# Altium PCB ad-dc-sync-rect.PcbDoc (part 1 of 2)
Units mm, origin at the board's own origin, x right, y up, seen from the top; angles counter-clockwise.
Board outline 200 x 140 mm, 2 copper layers (Top Layer, Bottom Layer), stack 2.271 mm thick; 244 components, 127 nets, 637 pads, 0 vias.
Unrouted connection lines stored in the file: 476.
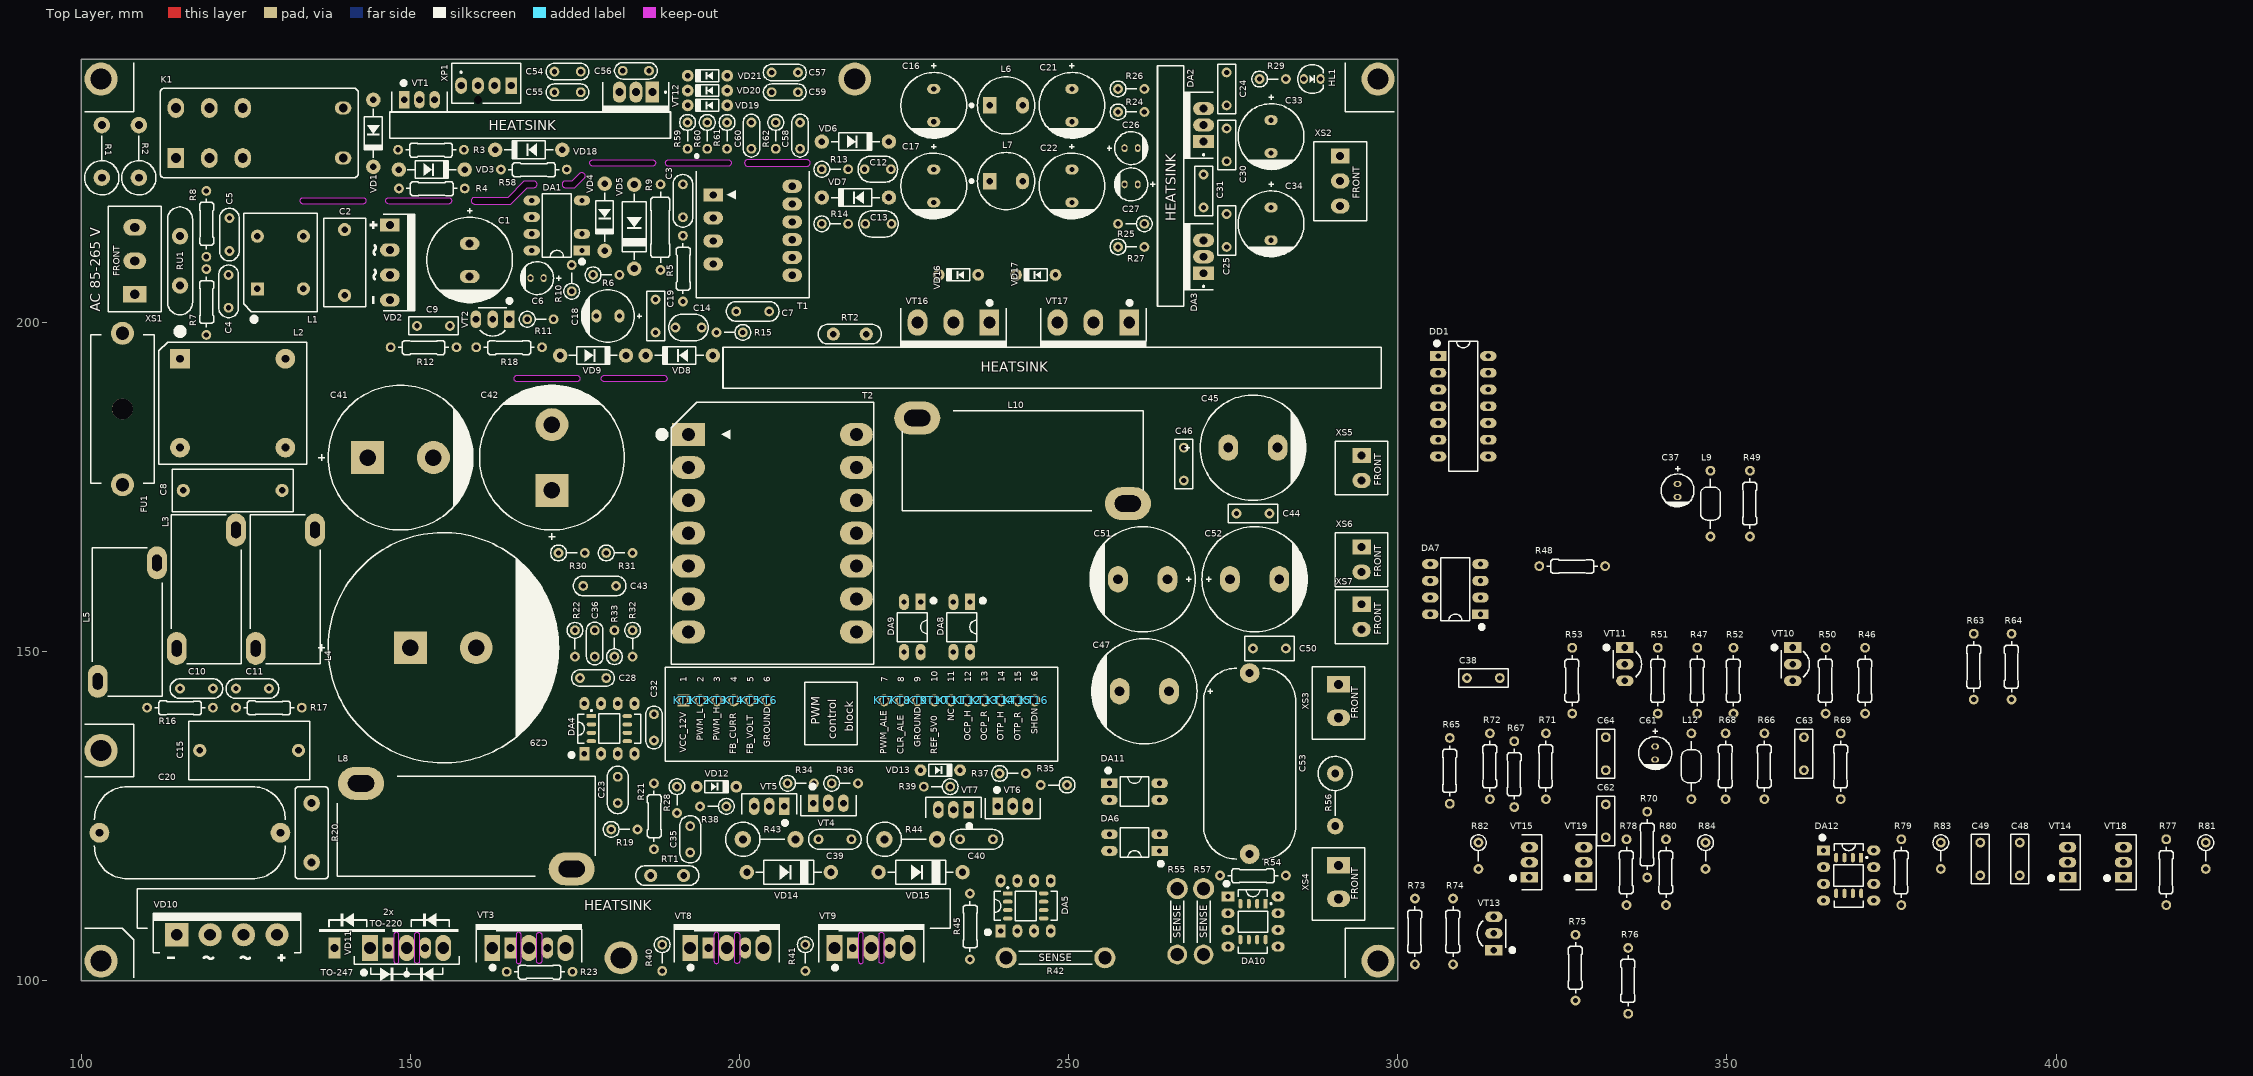
[diagram p0: Top Layer view]
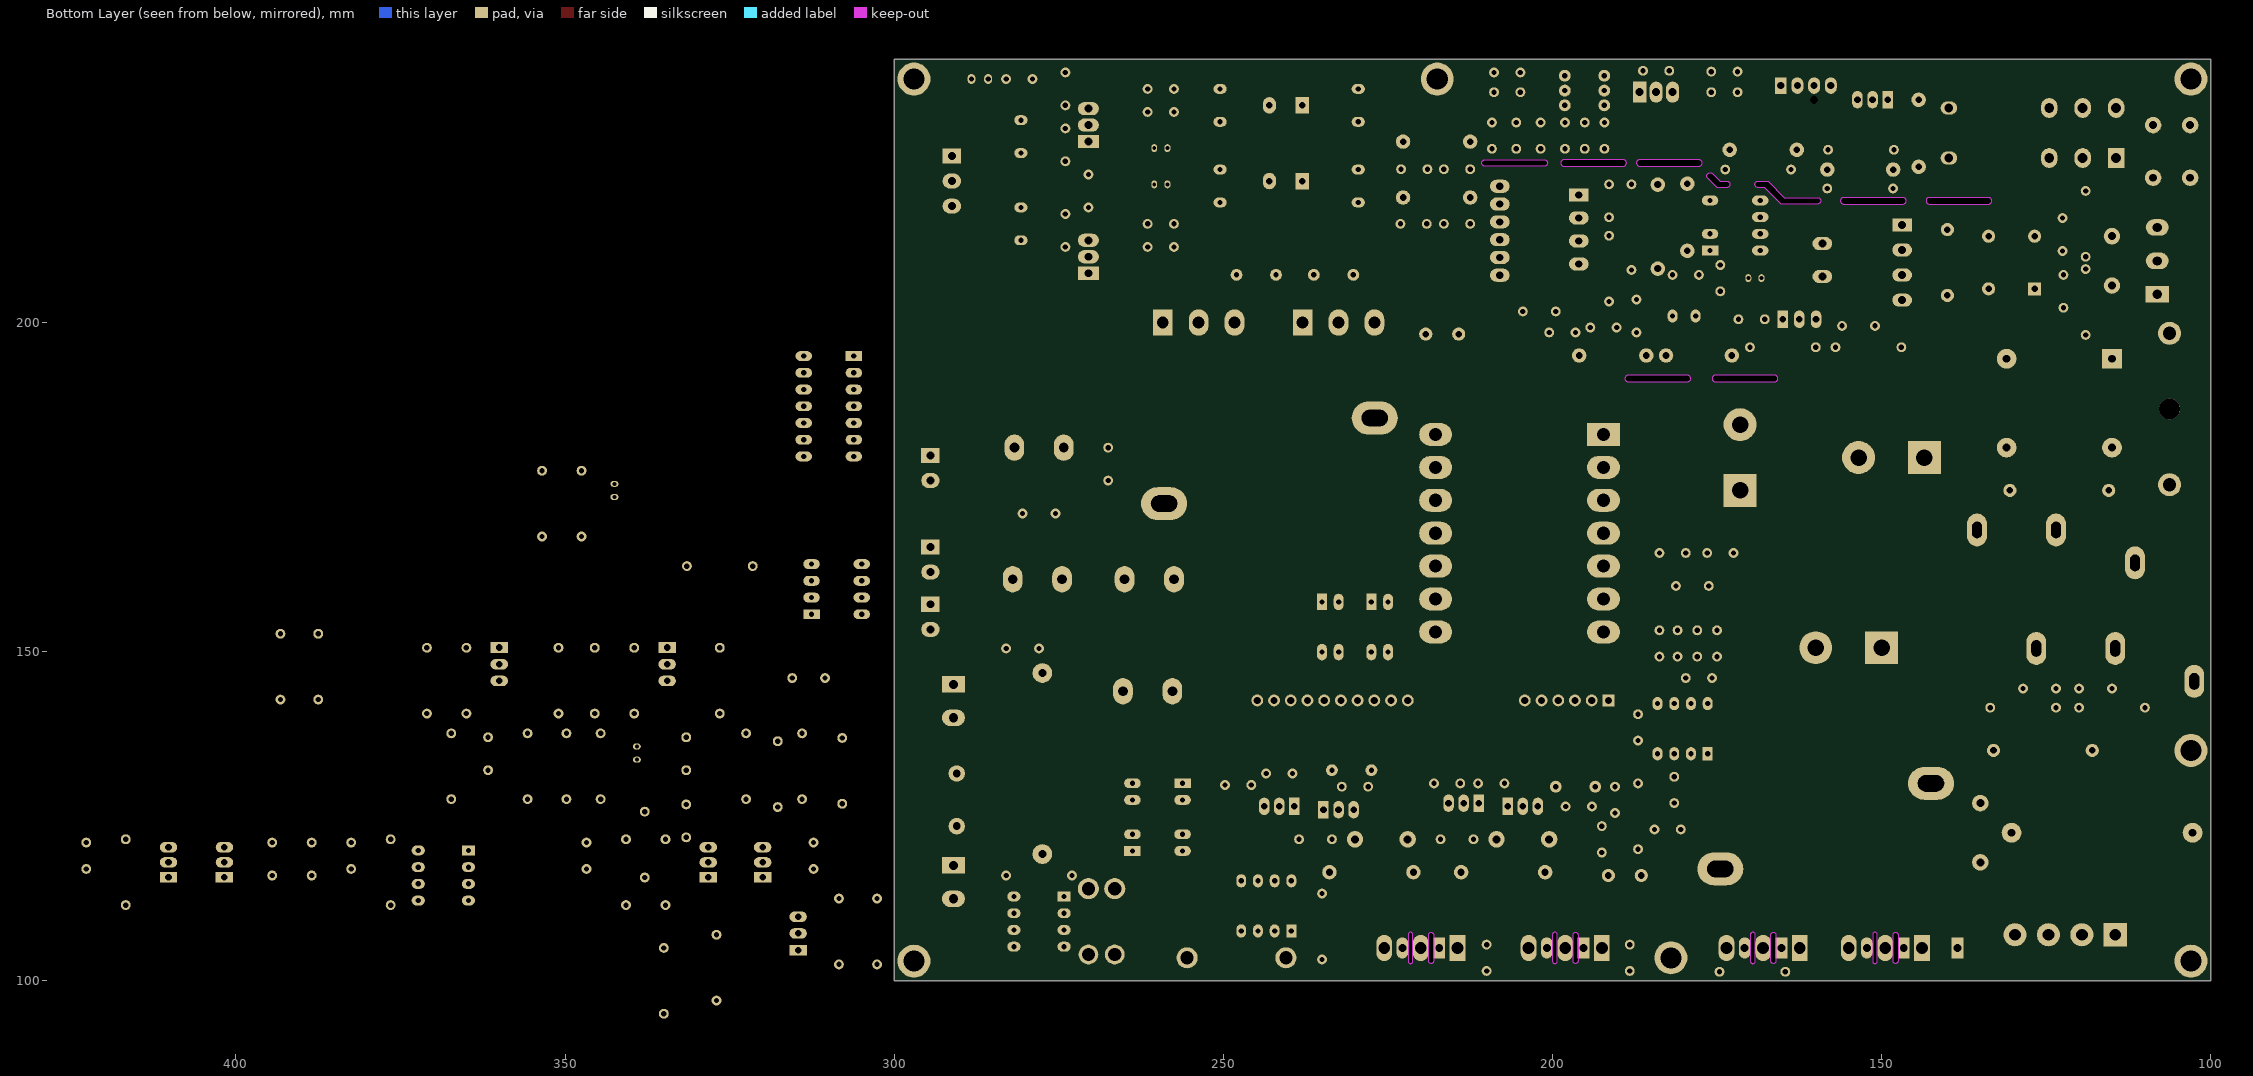
[diagram p1: Bottom Layer view, seen from below]

## Layer stack, top to bottom
Top Solder: solder mask 0.0102, Solder Resist, Dk 3.5
Top Layer: signal copper 0.0356
Dielectric 1: dielectric 2.2, FR-4, Dk 4.8
Bottom Layer: signal copper 0.0356
Bottom Solder: solder mask 0.0102, Solder Resist, Dk 3.5

## Board outline
100,100 300,100 300,240 100,240
cut-out: 166.25,192 175.25,192 cw(c175.25,191.5) 175.75,191.5 cw(c175.25,191.5) 175.25,191 166.25,191 cw(c166.25,191.5) 165.75,191.5 cw(c166.25,191.5)
cut-out: 179.5,192 188.5,192 cw(c188.5,191.5) 189,191.5 cw(c188.5,191.5) 188.5,191 179.5,191 cw(c179.5,191.5) 179,191.5 cw(c179.5,191.5)
cut-out: 133.75,219 142.75,219 cw(c142.75,218.5) 143.25,218.5 cw(c142.75,218.5) 142.75,218 133.75,218 cw(c133.75,218.5) 133.25,218.5 cw(c133.75,218.5)
cut-out: 146.75,219 155.75,219 cw(c155.75,218.5) 156.25,218.5 cw(c155.75,218.5) 155.75,218 146.75,218 cw(c146.75,218.5) 146.25,218.5 cw(c146.75,218.5)
cut-out: 168.75,221.5 167.25,221.5 164.75,219 159.75,219 ccw(c159.75,218.5) 159.25,218.5 ccw(c159.75,218.5) 159.75,218 165.25,218 167.75,220.5 168.75,220.5 ccw(c168.75,221) 169.25,221 ccw(c168.75,221)
cut-out: 189.25,224.75 198.25,224.75 cw(c198.25,224.25) 198.75,224.25 cw(c198.25,224.25) 198.25,223.75 189.25,223.75 cw(c189.25,224.25) 188.75,224.25 cw(c189.25,224.25)
cut-out: 173.543,220.5 175,220.5 176.418,221.918 ccw(c176.064,222.271) 176.418,222.625 ccw(c176.043,222.25) 175.668,222.625 174.543,221.5 173.543,221.5 ccw(c173.543,221) 173.043,221 ccw(c173.543,221)
cut-out: 177.75,224.75 186.75,224.75 cw(c186.75,224.25) 187.25,224.25 cw(c186.75,224.25) 186.75,223.75 177.75,223.75 cw(c177.75,224.25) 177.25,224.25 cw(c177.75,224.25)
cut-out: 210.25,224.75 201.25,224.75 ccw(c201.25,224.25) 200.75,224.25 ccw(c201.25,224.25) 201.25,223.75 210.25,223.75 ccw(c210.25,224.25) 210.75,224.25 ccw(c210.25,224.25)
cut-out: 218.06,107 218.06,103 ccw(c218.435,103) 218.435,102.625 ccw(c218.435,103) 218.81,103 218.81,107 ccw(c218.435,107) 218.435,107.375 ccw(c218.435,107)
cut-out: 221.94,107 221.94,103 cw(c221.565,103) 221.565,102.625 cw(c221.565,103) 221.19,103 221.19,107 cw(c221.565,107) 221.565,107.375 cw(c221.565,107)
cut-out: 200,107 200,103 cw(c199.625,103) 199.625,102.625 cw(c199.625,103) 199.25,103 199.25,107 cw(c199.625,107) 199.625,107.375 cw(c199.625,107)
cut-out: 196.12,107 196.12,103 ccw(c196.495,103) 196.495,102.625 ccw(c196.495,103) 196.87,103 196.87,107 ccw(c196.495,107) 196.495,107.375 ccw(c196.495,107)
cut-out: 166.06,107 166.06,103 ccw(c166.435,103) 166.435,102.625 ccw(c166.435,103) 166.81,103 166.81,107 ccw(c166.435,107) 166.435,107.375 ccw(c166.435,107)
cut-out: 169.94,107 169.94,103 cw(c169.565,103) 169.565,102.625 cw(c169.565,103) 169.19,103 169.19,107 cw(c169.565,107) 169.565,107.375 cw(c169.565,107)
cut-out: 151.38,107 151.38,103 cw(c151.005,103) 151.005,102.625 cw(c151.005,103) 150.63,103 150.63,107 cw(c151.005,107) 151.005,107.375 cw(c151.005,107)
cut-out: 147.5,107 147.5,103 ccw(c147.875,103) 147.875,102.625 ccw(c147.875,103) 148.25,103 148.25,107 ccw(c147.875,107) 147.875,107.375 ccw(c147.875,107)

## Design rules (kind name [scope] priority, off if disabled: settings)
Clearance [All] p1: gap=0.254 ignorepadtopadclearanceinfootprint=FALSE except(0: Arc-Hole Track-Hole SMDPad-Hole THPad-Hole Via-Hole Fill-Hole Poly-Hole Region-Hole Text-Hole)
PolygonConnect [All] p1: connectstyle=Relief reliefconductorwidth=0.254 reliefentries=4 polygonreliefangle="90 Angle" airgapwidth=0.254
RoutingVias [All] p1: holewidth=0.711 width=1.27 viastyle="Through Hole" minholewidth=0.711 minwidth=1.27 maxholewidth=0.711 maxwidth=1.27
SolderMaskExpansion [All] p1: expansion=0.102 istentingtop=FALSE
Width [All] p1: maxlimit=0.254 minlimit=0.254 preferedwidth=0.254
30 further rules are at their usual default settings.

## Classes and differential pairs
net class POWER_HIGH_VOLTAGE: VCC_380V
component class p3_fan_regulator: C54 C55 C56 C57 C58 C59 C60 R58 R59 R60 R61 R62 RT1 RT2 VD18 VD19 VD20 VD21 VT12 XP1
component class p2_half_bridge: C37 C38 C39 C40 C41 C42 C43 C44 C45 C46 C47 C48 C49 C50 C51 C52 C53 C61 C62 C63 C64 DA5 DA6 DA7 DA8 DA9 DA10 DA11 DA12 DD1 KT1 KT2 KT3 KT4 KT5 KT6 KT7 KT8 KT9 KT10 KT11 KT12 KT13 KT14 KT15 KT16 L9 L10 L12 R34 R35 R36 R37 R38 R39 R40 R41 R42 R43 R44 R45 R46 R47 R48 R49 R50 R51 R52 R53 R54 R55 R56 R57 R63 R64 R65 R66 R67 R68 R69 R70 R71 R72 R73 R74 R75 R76 R77 R78 R79 R80 R81 R82 R83 R84 T2 VD12 VD13 VD14 VD15 VD16 VD17 VT4 VT5 VT6 VT7 VT8 VT9 VT10 VT11 VT13 VT14 VT15 VT16 VT17 VT18 VT19 XS3 XS4 XS5 XS6 XS7
component class p1_apfc_and_standby: C1 C2 C3 C4 C5 C6 C7 C8 C9 C10 C11 C12 C13 C14 C15 C16 C17 C18 C19 C20 C21 C22 C23 C24 C25 C26 C27 C28 C29 C30 C31 C32 C33 C34 C35 C36 DA1 DA2 DA3 DA4 FU1 HL1 K1 L1 L2 L3 L4 L5 L6 L7 L8 R1 R2 R3 R4 R5 R6 R7 R8 R9 R10 R11 R12 R13 R14 R15 R16 R17 R18 R19 R20 R21 R22 R23 R24 R25 R26 R27 R28 R29 R30 R31 R32 R33 RU1 T1 VD1 VD2 VD3 VD4 VD5 VD6 VD7 VD8 VD9 VD10 VD11 VT1 VT2 VT3 XS1 XS2

## Components (designator, comment, footprint, x,y, rotation, side; value= is the part's Value field where it differs from the comment)
C1 "33u" ECAP13X21X5_BRW 159,209.5 r0 top
C2 "0.1u" MKP61_13x12x6_P10 140,209.125 r90 top
C3 "1000p" JYC_Y2_CAP_7.5 191.4,218.5 r90 top
C4 "0.01u" JYC_Y2_CAP_6.5 122.375,204.75 r90 top
C5 "0.01u" JYC_Y2_CAP_6.5 122.5,213.375 r90 top
C6 "10u" ECAP5X11X2.0_BRW 169.25,206.75 r270 top
C7 "1000p" JYC_Y2_CAP_7.5 202,201.7 r180 top
C8 "0.01u" MKP61_18x12x6_P15 123,174.5 r180 top
C9 "0.1u" CL23B_7.2x2.5 153.5,199.5 r180 top
C10 "4700p" JYC_Y2_CAP_6.5 117.5,144.4 r0 top
C11 "4700p" JYC_Y2_CAP_6.5 126,144.4 r0 top
C12 "470p" CL11_6x4_P4.0 221,223.3 r180 top
C13 "470p" CL11_6x4_P4.0 221.1,215 r180 top
C14 "390p" CL11_6x4_P4.0 192.25,199.25 r0 top
C15 "0.22u" MKP61_18x14.5x8.5_P15 125.5,135 r180 top
C16 "470u" ECAP10X17X5_BRW 229.5,233 r0 top
C17 "470u" ECAP10X17X5_BRW 229.5,220.75 r0 top
C18 "390u" ECAP8X13.5X3.5_BRW 180,201 r270 top
C19 "0.1u" CL23B_7.2x2.5 187.25,201 r90 top
C20 "4.7u" CL21_29x24.5x14.0_P27.5 116.5,122.5 r180 top
C21 "1000u" ECAP10X21X5_BRW 250.5,233 r0 top
C22 "1000u" ECAP10X21X5_BRW 250.5,220.75 r0 top
C23 "4.7u" RDE_2P1 181.5,129 r90 top
C24 "0.1u" CL23B_7.2x2.5 274,235.5 r90 top
C25 "0.1u" CL23B_7.2x2.5 274,214 r270 top
C26 "10u" ECAP5X11X2.0_BRW 259.5,226.5 r90 top
C27 "10u" ECAP5X11X2.0_BRW 259.5,221 r270 top
C28 "0.1u" RDE_1P1 177.75,146 r180 top
C29 "470u" ECAP35X50X10 155,150.6 r90 top
C30 "0.1u" CL23B_7.2x2.5 274,227 r270 top
C31 "0.1u" CL23B_7.2x2.5 270.5,220 r270 top
C32 "0.1u" RDE_1P1 187,138.5 r90 top
C33 "470u" ECAP10X17X5_BRW 280.75,228.25 r0 top
C34 "470u" ECAP10X17X5_BRW 280.75,215 r0 top
C35 "1u" RDE_2P1 192.5,121.5 r270 top
C36 "0.1u" RDE_1P1 178,151.25 r90 top
C37 "22u" ECAP5X11X2.0_BRW 342.5,174.5 r0 top
C38 "0.1u" CL23B_7.2x2.5 313,146 r180 top
C39 "680p" JYC_Y2_CAP_7.5 214.5,121.5 r180 top
C40 "680p" JYC_Y2_CAP_7.5 236,121.5 r180 top
C41 "470u" ECAP22X50X10 148.5,179.5 r90 top
C42 "470u" ECAP22X50X10 171.5,179.5 r180 top
C43 "1000p" JYC_Y2_CAP_7.5 178.75,160 r0 top
C44 "1000p" CL23B_7.2x2.5 278,171 r180 top
C45 "3300u" ECAP16X36X75_BLK 278,181 r90 top
C46 "0.1u" CL23B_7.2x2.5 267.5,178.5 r90 top
C47 "3300u" ECAP16X36X75_BLK 261.5,144 r270 top
C48 "0.1u" CL23B_7.2x2.5 394.499,118.5 r90 top
C49 "0.1u" CL23B_7.2x2.5 388.499,118.5 r90 top
C50 "0.47u" CL23B_7.2x3.5 280.5,150.5 r180 top
C51 "3300u" ECAP16X36X75_BLK 261.25,161 r270 top
C52 "3300u" ECAP16X36X75_BLK 278.25,161 r90 top
C53 "2.2u" CL21_29x24.5x14.0_P27.5 277.5,133 r90 top
C54 "0.1u" RDE_1P1 173.875,238.125 r0 top
C55 "0.1u" RDE_1P1 173.875,235 r0 top
C56 "0.1u" RDE_1P1 184.25,238.25 r180 top
C57 "0.1u" RDE_1P1 206.875,238 r180 top
C58 "0.1u" RDE_1P1 209.2,228.4 r270 top
C59 "0.1u" RDE_1P1 206.875,235 r180 top
C60 "0.1u" RDE_1P1 201.8,228.4 r270 top
C61 "22u" ECAP5X11X2.0_BRW 339.099,134.6 r0 top
C62 "0.1u" CL23B_7.2x2.5 331.6,124.3 r90 top
C63 "1000p" CL23B_7.2x2.5 361.699,134.5 r90 top
C64 "1000p" CL23B_7.2x2.5 331.599,134.5 r90 top
DA1 "TNY277PN" DIP-8C 172.25,214.75 r180 top
DA2 "LM317KC" TO-220A-3 270.5,230 r180 top
DA3 "LM337T" TO-220A-3 270.5,210 r180 top
DA4 "ICE2PCS01GXUMA1TR" SOIC-8_with_DIP-8 180.23,138.31 r90 top
DA5 "LM358N/NOPB" DIP-8P-M01_with_SO8 243.475,111.385 r90 top
DA6 "FOD817A" DIP-4P 260,121 r180 top
DA7 "PC827" DIP-8P-M01 308.75,159.5 r180 top
DA8 "FOD817A" DIP-4P 233.75,153.75 r270 top
DA9 "FOD817A" DIP-4P 226.25,153.75 r270 top
DA10 "LM358N/NOPB" DIP-8P-M01_with_SO8 278,109 r0 top
DA11 "FOD817A" DIP-4P 260,128.75 r0 top
DA12 "LM393P" DIP-8P-M01_with_SO8 368.499,116 r0 top
DD1 "CD4030BE" DIP-14P-M02 309.94,187.29 r0 top
FU1 "FH-102" FH-102 106.25,186.875 r270 top
HL1 "GNL-3012GD" GNL-3012GD 287,237 r180 top
K1 "SLA-12VDC-SL-C" RELAY_13x29.5MM 127.025,228.8 r180 top
KT1 "TEST_PAD" TEST_PAD_HOLE1.1x1.8SQ 191.5,142.593 r180 top net-tie
KT2 "TEST_PAD" TEST_PAD_HOLE1.1x1.8 194.04,142.593 r270 top net-tie
KT3 "TEST_PAD" TEST_PAD_HOLE1.1x1.8 196.58,142.593 r270 top net-tie
KT4 "TEST_PAD" TEST_PAD_HOLE1.1x1.8 199.12,142.593 r270 top net-tie
KT5 "TEST_PAD" TEST_PAD_HOLE1.1x1.8 201.66,142.593 r270 top net-tie
KT6 "TEST_PAD" TEST_PAD_HOLE1.1x1.8 204.2,142.593 r270 top net-tie
KT7 "TEST_PAD" TEST_PAD_HOLE1.1x1.8 221.98,142.593 r270 top net-tie
KT8 "TEST_PAD" TEST_PAD_HOLE1.1x1.8 224.52,142.593 r270 top net-tie
KT9 "TEST_PAD" TEST_PAD_HOLE1.1x1.8 227.06,142.593 r270 top net-tie
KT10 "TEST_PAD" TEST_PAD_HOLE1.1x1.8 229.6,142.593 r270 top net-tie
KT11 "TEST_PAD" TEST_PAD_HOLE1.1x1.8 232.14,142.593 r270 top net-tie
KT12 "TEST_PAD" TEST_PAD_HOLE1.1x1.8 234.68,142.593 r270 top net-tie
KT13 "TEST_PAD" TEST_PAD_HOLE1.1x1.8 237.22,142.593 r270 top net-tie
KT14 "TEST_PAD" TEST_PAD_HOLE1.1x1.8 239.76,142.593 r270 top net-tie
KT15 "TEST_PAD" TEST_PAD_HOLE1.1x1.8 242.3,142.593 r270 top net-tie
KT16 "TEST_PAD" TEST_PAD_HOLE1.1x1.8 244.84,142.593 r270 top net-tie
L1 "10 mH" UU9.8 130.25,209.125 r270 top
L2 "10 mH" EE25/10/6 123,187.75 r180 top
L3 "200 uH" CORE_D20_GB 119,159.5 r270 top
L4 "200 uH" CORE_D20_GB 131,159.5 r270 top
L5 "200 uH" CORE_D20_YW 107,154.5 r270 top
L6 "RLB0914-*" RLB0914 240.5,233 r270 top
L7 "RLB0914-*" RLB0914 240.5,221.5 r270 top
L8 "480 uH" CORE_D36_GB 158.5,123.5 r0 top
L9 "EC24-180K" EC24_GREEN 347.5,172.5 r90 top
L10 "* mH" CORE_D33_GB 243,179 r0 top
L12 "EC24-180K" EC24_GREEN 344.599,132.6 r90 top
R1 "56" CFR-200(VERTICAL) 103.125,226 r270 top
R2 "56" CFR-200(VERTICAL) 108.75,226 r270 top
R3 "1k" CFR-25 153.125,226.25 r180 top
R4 "1k" CFR-25 153.25,220.375 r180 top
R5 "30" CFR-25 191.4,208.2 r270 top
R6 "75" CFR-25(VERTICAL) 179.75,207.25 r180 top
R7 "510k" CFR-25 119,203.125 r270 top
R8 "510k" CFR-25 119,215 r270 top
R9 "200k" CFR-50 188,214.5 r90 top
R10 "4.7k" CFR-25(VERTICAL) 174.5,206.75 r270 top
R11 "5.1k" CFR-25(VERTICAL) 169.75,200.5 r180 top
R12 "1k" CFR-25 152,196.25 r180 top
R13 "27" CFR-25(VERTICAL) 214.5,223.3 r180 top
R14 "27" CFR-25(VERTICAL) 214.5,215 r180 top
R15 "22" CFR-25(VERTICAL) 198.5,198.5 r0 top
R16 "510k" CFR-25 115,141.5 r180 top
R17 "510k" CFR-25 128.5,141.5 r180 top
R18 "680" CFR-25 165,196.25 r180 top
R19 "220" CFR-25(VERTICAL) 182.5,123 r180 top
R20 "0.1" BPR58 135,122.5 r90 top
R21 "75k" CFR-25 187,125 r270 top
R22 "3.6" CFR-25(VERTICAL) 175,151.25 r90 top
R23 "10k" CFR-25 169.625,101.375 r180 top
R24 "2k" CFR-25(VERTICAL) 259.5,232 r180 top
R25 "1k" CFR-25(VERTICAL) 259.5,215 r0 top
R26 "240" CFR-25(VERTICAL) 259.5,235.5 r180 top
R27 "120" CFR-25(VERTICAL) 259.5,211.5 r180 top
R28 "33k" CFR-25(VERTICAL) 190.5,127.5 r90 top
R29 "2k" CFR-25(VERTICAL) 281,237 r180 top
R30 "390k" CFR-25(VERTICAL) 174.5,165 r180 top
R31 "390k" CFR-25(VERTICAL) 181.75,165 r180 top
R32 "10k" CFR-25(VERTICAL) 183.75,151.25 r90 top
R33 "15k" CFR-25(VERTICAL) 181,151.25 r270 top
R34 "330" CFR-25(VERTICAL) 209.3,130 r180 top
R35 "330" CFR-25(VERTICAL) 247.75,129.75 r0 top
R36 "1k" CFR-25(VERTICAL) 216,130 r180 top
R37 "1k" CFR-25(VERTICAL) 241.5,131.5 r180 top
R38 "3.6" CFR-25(VERTICAL) 196,126.5 r0 top
R39 "3.6" CFR-25(VERTICAL) 230,129.5 r0 top
R40 "10k" CFR-25(VERTICAL) 188.25,103.5 r90 top
R41 "10k" CFR-25(VERTICAL) 210,103.5 r90 top
R42 "0.05" CURRENT_SENSE_15x18mm 248,103.5 r180 top
R43 "27" CFR-200(VERTICAL) 204.5,121.5 r180 top
R44 "27" CFR-200(VERTICAL) 226,121.5 r180 top
R45 "22k" CFR-25 235,108.25 r270 top
R46 "2.2k" CFR-25 370.999,145.6 r90 top
R47 "10k" CFR-25 345.499,145.6 r90 top
R48 "1k" CFR-25 326.5,163 r180 top
R49 "10k" CFR-25 353.5,172.5 r90 top
R50 "10k" CFR-25 364.999,145.6 r90 top
R51 "10k" CFR-25 339.499,145.6 r90 top
R52 "1k" CFR-25 350.999,145.6 r90 top
R53 "2.2k" CFR-25 326.499,145.6 r90 top
R54 "1k" CFR-25 278,116 r180 top
R55 "0.02" CURRENT_SENSE_10x11mm 266.5,109 r90 top
R56 "2.2k" CFR-200(VERTICAL) 290.5,127.5 r90 top
R57 "0.02" CURRENT_SENSE_10x11mm 270.5,109 r90 top
R58 "10k" CFR-25 168.75,223.25 r180 top
R59 "1M" CFR-25(VERTICAL) 192.1,228.4 r90 top
R60 "22k" CFR-25(VERTICAL) 195.1,228.4 r90 top
R61 "3.3k" CFR-25(VERTICAL) 198.1,228.4 r90 top
R62 "3.3k" CFR-25(VERTICAL) 205.5,228.4 r90 top
R63 "6.2k" CFR-25 387.502,147.726 r90 top
R64 "2k" CFR-25 393.253,147.726 r90 top
R65 "1k" CFR-25 307.9,131.9 r90 top
R66 "22k" CFR-25 355.699,132.6 r90 top
R67 "10k" CFR-25 317.7,131.4 r90 top
R68 "1k" CFR-25 349.799,132.6 r90 top
R69 "10k" CFR-25 367.299,132.6 r90 top
R70 "10k" CFR-25 337.9,120.7 r90 top
R71 "1k" CFR-25 322.5,132.6 r90 top
R72 "10k" CFR-25 314,132.6 r90 top
R73 "2.2k" CFR-25 302.599,107.5 r90 top
R74 "10k" CFR-25 308.399,107.5 r90 top
R75 "1k" CFR-25 327,102 r90 top
R76 "1k" CFR-25 335,100 r90 top
R77 "2k" CFR-25 416.749,116.5 r90 top
R78 "2k" CFR-25 334.749,116.5 r90 top
R79 "4.7k" CFR-25 376.499,116.5 r90 top
R80 "4.7k" CFR-25 340.749,116.5 r90 top
R81 "3.6" CFR-25(VERTICAL) 422.749,119 r90 top
R82 "3.6" CFR-25(VERTICAL) 312.249,119 r90 top
R83 "1k" CFR-25(VERTICAL) 382.499,119 r90 top
R84 "1k" CFR-25(VERTICAL) 346.749,119 r90 top
RT1 "*" NTC_D8 189,116 r180 top value=10k
RT2 "*" NTC_D8 216.75,198.25 r0 top value=10k
RU1 "VDR-14D431" VARISTOR_14D 115,209.375 r270 top
T1 "EEL19/13.5/5" EEL19/13.5/5 202,214.15 r270 top
T2 "ER39/20/12.5" ER39/20/12.5 205,168 r270 top
VD1 "1N4007RL" DO-41 144.375,228.75 r90 top
VD2 "KBP210G" KBP210G 146.875,209.125 r270 top
VD3 "1N4740A" "DO-41 GLASS DARK RED" 153.25,223.25 r180 top
VD4 "1N4007RL" DO-41 179.5,216 r90 top
VD5 "P6KE160ARLG" DO-15 184,214.58 r90 top
VD6 "SB180" DO-41 217.6,227.5 r180 top
VD7 "SB180" DO-41 217.6,219 r0 top
VD8 "SB180" DO-41 190.85,195 r0 top
VD9 "1N4742A" "DO-41 GLASS DARK RED" 177.75,195 r180 top
VD10 "GBU810" GBU810 122.12,107 r0 top
VD11 "HFA30PA60C" TO-247_with_dual_TO-220 149.44,105 r90 top
VD12 "1N4148" "DO-35 GLASS LIGHT RED" 196.5,129.5 r180 top
VD13 "1N4148" "DO-35 GLASS LIGHT RED" 230.5,132 r180 top
VD14 "FR207G" DO-15 207.5,116.5 r180 top
VD15 "FR207G" DO-15 227.5,116.5 r180 top
VD16 "1N4148" "DO-35 GLASS LIGHT RED" 233.25,207.25 r0 top
VD17 "1N4148" "DO-35 GLASS LIGHT RED" 245,207.25 r0 top
VD18 "1N4007RL" DO-41 167.975,226.25 r0 top
VD19 "1N4148" "DO-35 GLASS LIGHT RED" 195.125,233 r0 top
VD20 "1N4148" "DO-35 GLASS LIGHT RED" 195.125,235.25 r0 top
VD21 "1N4148" "DO-35 GLASS LIGHT RED" 195.125,237.5 r0 top
VT1 "BD139" "TO-126 (VERTICAL)" 151.375,233.875 r270 top
VT2 "2SC945" "TO-92 (VERTICAL,LINE)" 162.5,200.5 r270 top
VT3 "FCH20N60" "TO-247_with_TO-220 (VERTICAL)" 168,105 r90 top
VT4 "BD139" "TO-126 (VERTICAL)" 213.5,127 r270 top
VT5 "BD140" "TO-126 (VERTICAL)" 204.5,126.5 r90 top
VT6 "BD139" "TO-126 (VERTICAL)" 241.5,126.5 r270 top
VT7 "BD140" "TO-126 (VERTICAL)" 232.5,126 r90 top
VT8 "FCH20N60" "TO-247_with_TO-220 (VERTICAL)" 198.06,105 r90 top
VT9 "FCH20N60" "TO-247_with_TO-220 (VERTICAL)" 220,105 r90 top
VT10 "2SC945" "TO-92 (VERTICAL,LINE)" 359.999,148.1 r0 top
VT11 "2SA733" "TO-92 (VERTICAL,LINE)" 334.499,148.1 r0 top
VT12 "AP40N03GP" TO-220A-3 184.25,235 r270 top
VT13 "2SA733" "TO-92 (VERTICAL,LINE)" 314.6,107.2 r180 top
VT14 "BD140" "TO-126 (VERTICAL)" 401.749,118 r0 top
VT15 "BD140" "TO-126 (VERTICAL)" 319.999,118 r0 top
VT16 "FQA70N15" "TO-3PN (VERTICAL)" 232.5,200 r270 top
VT17 "FQA70N15" "TO-3PN (VERTICAL)" 253.75,200 r270 top
VT18 "BD139" "TO-126 (VERTICAL)" 410.249,118 r0 top
VT19 "BD139" "TO-126 (VERTICAL)" 328.249,118 r0 top
XP1 "470531000" 0470531000 160.25,236 r0 top
XS1 "DG500-5.08-03P-14" DG500-5.08-03P 108.125,209.375 r270 top
XS2 "DG340-3.81-03P-12" DG340-3.81-03P 291.25,221.5 r90 top
XS3 "DG500-5.08-02P-14" DG500-5.08-02P 291,142.5 r90 top
XS4 "DG500-5.08-02P-14" DG500-5.08-02P 291,115 r90 top
XS5 "DG340-3.81-02P-12" DG340-3.81-02P 294.5,177.905 r90 top
XS6 "DG340-3.81-02P-12" DG340-3.81-02P 294.5,164 r90 top
XS7 "DG340-3.81-02P-12" DG340-3.81-02P 294.5,155.3 r90 top

## Footprints (in the part's own frame and the unit in brackets; to place one, negate y for a bottom-side part, rotate by r counter-clockwise, add the part's x,y. Pads: shape width x height; smd on the part's side, far side on the other; paste and mask are expansions set on the pad)
0470531000 [mm]
  round 0 hole 1.25: 0(0,-2.16)
  rect 1.8x2.5 hole 1.1: 1(5.08,0)
  oval 1.8x2.5 hole 1.1: 2(2.54,0) 3(0,0) 4(-2.54,0)
  silkscreen extent -3.94,-2.67 6.53,3.43, body extent -3.81,-2.54 6.39,3.3, height 10.5
BPR58 [mm] "Metal plate resistor 5W"
  round 2.5 hole 1.2 mask+0.075: 1(-4.5,0) 2(4.5,0)
  silkscreen extent -7,-2.5 7,2.5, body extent -7,-2.5 7,2.5, height 18.05
CFR-25 [mm] "Carbon Film Resistors 1/4W"
  round 1.5 hole 0.8 mask+0.075: 1(-5,0) 2(5,0)
  silkscreen extent -3.85,-1.02 3.85,1.1, body extent -5.23,-1.15 5.22,1.25, height 3.7
CFR-25(VERTICAL) [mm] "Carbon Film Resistors 1/4W"
  round 1.5 hole 0.8 mask+0.075: 1(-2,0) 2(2,0)
  silkscreen extent -0.85,-1.2 3.2,1.2, body extent -2.23,-1.2 3.2,1.2, height 9.84
CFR-50 [mm] "Carbon Film Resistors 1/2W"
  round 1.5 hole 0.8 mask+0.075: 1(-6.5,0) 2(6.5,0)
  silkscreen extent -5.4,-1.42 5.4,1.5, body extent -6.77,-1.67 6.78,1.67, height 4.66
CFR-200(VERTICAL) [mm] "Carbon Film Resistors 2W"
  round 2.5 hole 1.2 mask+0.075: 1(-4,0) 2(4,0)
  silkscreen extent -2.4,-2.6 6.6,2.6, body extent -4.41,-2.55 6.54,2.55, height 22.9
CL11_6x4_P4.0 [mm] "Cap 6x11.5x4mm, pitch = 4.0mm"
  round 1.5 hole 0.8 mask+0.075: 1(-2,0) 2(2,0)
  silkscreen extent -3,-2 3,2, body extent -3,-2 3,2, height 14
CL21_29x24.5x14.0_P27.5 [mm] "Cap 29x24.5x14.0mm, pitch = 27.5mm"
  round 3 hole 1.2 mask+0.075: 1(-13.75,0) 2(13.75,0)
  silkscreen extent -14.5,-7 14.5,7, body extent -14.5,-7 14.5,7, height 28.75
CL23B_7.2x2.5 [mm] "Box-type 7.2x2.5x6.5mm"
  round 1.5 hole 0.8 mask+0.075: 1(-2.5,0) 2(2.5,0)
  silkscreen extent -3.75,-1.38 3.75,1.38, body extent -3.6,-1.25 3.6,1.25, height 6.55
CL23B_7.2x3.5 [mm] "Box-type 7.2x3.5x7.5mm"
  round 1.5 hole 0.8 mask+0.075: 1(-2.5,0) 2(2.5,0)
  silkscreen extent -3.75,-1.88 3.75,1.88, body extent -3.6,-1.75 3.6,1.75, height 7.55
CORE_D20_GB [mm] "Core D20.3/12.7/6.35mm, Green-Blue"
  oval 5x3 hole 2.5 slot 1.5 at 90 deg mask+0.075: 1(-9,4.5) 2(9,-4.5)
  silkscreen extent -11.3,-5.3 11.3,5.3, body extent -11.12,-5.01 11.12,5, height 24.18
CORE_D20_YW [mm] "Core D20.3/12.7/6.35mm, Yellow-White"
  oval 5x3 hole 2.5 slot 1.5 at 90 deg mask+0.075: 1(-9,4.5) 2(9,-4.5)
  silkscreen extent -11.3,-5.3 11.3,5.3, body extent -11.12,-5.01 11.12,5, height 24.18
CORE_D33_GB [mm] "Core D32.8/20.1/10.7mm, Green-Blue"
  oval 7x5 hole 4 slot 2.5 at 90 deg mask+0.075: 1(-16,6.5) 2(16,-6.5)
  silkscreen extent -18.3,-7.6 18.3,7.6, body extent -18,-7.25 18,7.25, height 38.17
CORE_D36_GB [mm] "Core D35.8/22.4/10.5mm, Green-Blue"
  oval 7x5 hole 4 slot 2.5 at 90 deg mask+0.075: 1(-16,6.5) 2(16,-6.5)
  silkscreen extent -19.6,-7.6 19.6,7.6, body extent -19.22,-7.37 19.22,7.37, height 40.36
CURRENT_SENSE_10x11mm [mm] "Constantan Current Sense, 10mm length, 11mm Heigth"
  round 3 hole 2 mask+0.075: 1(-5,0)
  round 3.2 hole 2 mask+0.075: 2(5,0)
  silkscreen extent -3.2,-1 3.2,1, body extent -6.25,-0.75 6.24,0.75, height 9.25
CURRENT_SENSE_15x18mm [mm] "Constantan Current Sense, 15mm length, 18mm Heigth"
  round 3.2 hole 2 mask+0.075: 1(-7.5,0) 2(7.5,0)
  silkscreen extent -5.6,-1 5.6,1, body extent -8.5,-0.5 8.5,0.5, height 15.5
DG340-3.81-02P [mm]
  rect 2.3x2.8 hole 1.2: 1(1.905,0)
  oval 2.3x2.8 hole 1.2: 2(-1.905,0)
  silkscreen extent -4.09,-4 4.1,4, body extent -4,-3.75 3.81,3.75, height 8.5
DG340-3.81-03P [mm]
  rect 2.3x2.8 hole 1.2: 1(3.81,0)
  oval 2.3x2.8 hole 1.2: 2(0,0) 3(-3.81,0)
  silkscreen extent -6,-4 6,4, body extent -5.92,-3.75 5.71,3.75, height 8.5
DG500-5.08-02P [mm]
  rect 2.5x3.5 hole 1.4: 1(2.54,0)
  oval 2.5x3.5 hole 1.4: 2(-2.54,0)
  silkscreen extent -5.8,-4 5.2,4, body extent -5.6,-3.8 5,3.8, height 10
DG500-5.08-03P [mm]
  rect 2.5x3.5 hole 1.4: 1(5.08,0)
  oval 2.5x3.5 hole 1.4: 2(0,0) 3(-5.08,0)
  silkscreen extent -8.3,-4 7.7,4, body extent -8.09,-3.8 7.51,3.8, height 10
DIP-4P [mm] "Plastic DIP, 4 pin, lead pitch 2.54mm (0.1\"), row spacing 7.62mm (0.3\")."
  rect 2.5x1.5 hole 0.8 mask+0.075: 1(-3.81,1.27)
  oval 2.5x1.5 hole 0.8 mask+0.075: 2(-3.81,-1.27) 3(3.81,-1.27) 4(3.81,1.27)
  silkscreen extent -4.3,-2.26 2.2,3.51, body extent -3.93,-2.3 3.94,2.3, height 3.95
DIP-8C [mm] "Plastic DIP, 7 pin, lead pitch 2.54mm (0.1\"), row spacing 7.62mm (0.3\")."
  rect 2.5x1.5 hole 0.8 mask+0.075: 1(-3.81,3.81)
  oval 2.5x1.5 hole 0.8 mask+0.075: 2(-3.81,1.27) 4(-3.81,-3.81) 5(3.81,-3.81) 6(3.81,-1.27) 7(3.81,1.27) 8(3.81,3.81)
  silkscreen extent -4.11,-4.8 2.2,5.79, body extent -3.94,-4.7 3.93,4.7, height 4.36
DIP-8P-M01 [mm] "Plastic DIP, 8 pin, lead pitch 2.54mm (0.1\"), row spacing 7.62mm (0.3\")."
  rect 2.5x1.5 hole 0.8 mask+0.075: 1(-3.81,3.81)
  oval 2.5x1.5 hole 0.8 mask+0.075: 2(-3.81,1.27) 3(-3.81,-1.27) 4(-3.81,-3.81) 5(3.81,-3.81) 6(3.81,-1.27) 7(3.81,1.27) 8(3.81,3.81)
  silkscreen extent -4.3,-4.8 2.2,6.05, body extent -3.94,-4.7 3.93,4.7, height 4.36
DIP-8P-M01_with_SO8 [mm] "Plastic DIP, 8 pin, lead pitch 2.54mm (0.1\"), row spacing 7.62mm (0.3\")."
  rect 2x1.5 hole 0.8 mask+0.075: 1(-3.81,3.81)
  rect 0.6x1.45 smd paste+0 mask+0.05: 1(1.905,2.725)
  oval 2x1.5 hole 0.8 mask+0.075: 2(-3.81,1.27) 3(-3.81,-1.27) 4(-3.81,-3.81) 5(3.81,-3.81) 6(3.81,-1.27) 7(3.81,1.27) 8(3.81,3.81)
  oval 0.6x1.45 smd paste+0 mask+0.05: 2(0.635,2.725) 3(-0.635,2.725) 4(-1.905,2.725) 5(-1.905,-2.725) 6(-0.635,-2.725) 7(0.635,-2.725) 8(1.905,-2.725)
  silkscreen extent -4.3,-4.8 2.88,6.05, body extent -3.94,-4.7 3.93,4.7, height 4.36
DIP-14P-M02 [mm] "Plastic DIP, 14 pin, lead pitch 2.54mm (0.1\"), row spacing 7.62mm (0.3\")"
  rect 2.5x1.5 hole 0.8 mask+0.075: 1(-3.81,7.62)
  oval 2.5x1.5 hole 0.8 mask+0.075: 2(-3.81,5.08) 3(-3.81,2.54) 4(-3.81,0) 5(-3.81,-2.54) 6(-3.81,-5.08) 7(-3.81,-7.62) 8(3.81,-7.62) 9(3.81,-5.08) 10(3.81,-2.54) 11(3.81,0) 12(3.81,2.54) 13(3.81,5.08) 14(3.81,7.62)
  silkscreen extent -4.3,-9.9 2.2,9.9, body extent -3.94,-9.8 3.93,9.8, height 4.36
DO-15 [mm]
  round 2.2 hole 1.1: 1(-6.38,0) 2(6.38,0)
  silkscreen extent -5,-1.8 5,1.8, body extent -6.78,-1.78 6.78,1.78, height 4.28
"DO-35 GLASS LIGHT RED" [mm]
  round 1.8 hole 0.8: 1(-3,0) 2(3,0)
  silkscreen extent -1.75,-0.9 1.75,0.95, body extent -3.24,-0.8 3.24,0.8, height 2.3
DO-41 [mm]
  round 2.2 hole 1: 1(-5.1,0) 2(5.1,0)
  silkscreen extent -3.7,-1.35 3.7,1.35, body extent -5.51,-1.36 5.51,1.37, height 3.37
"DO-41 GLASS DARK RED" [mm]
  round 2.2 hole 1: 1(-5,0) 2(5,0)
  silkscreen extent -3.7,-1.35 3.7,1.35, body extent -5.4,-1.35 5.4,1.35, height 3.35
EC24_GREEN [mm] "Inductor"
  round 1.5 hole 0.8 mask+0.075: 1(-5,0) 2(5,0)
  silkscreen extent -3.8,-1.5 3.8,1.5, body extent -5.25,-1.57 5.25,1.56, height 3.73
ECAP5X11X2.0_BRW [mm] "Aluminium Capacitor"
  oval 1.2x0.9 hole 0.6 mask+0.075: 1(0,1) 2(0,-1)
  silkscreen extent -2.5,-2.51 2.5,3.67, body extent -2.5,-2.5 2.5,2.5, height 11.05
ECAP8X13.5X3.5_BRW [mm] "Aluminium Capacitor"
  oval 2x1.5 hole 0.8 mask+0.075: 1(0,1.75) 2(0,-1.75)
  silkscreen extent -4,-4 4,5.17, body extent -4,-4 4,4, height 13.55
ECAP10X17X5_BRW [mm] "Aluminium Capacitor"
  oval 2x1.5 hole 0.8 mask+0.075: 1(0,2.5) 2(0,-2.5)
  silkscreen extent -5,-5 5,6.37, body extent -5,-5 5,5, height 17.05
ECAP10X21X5_BRW [mm] "Aluminium Capacitor"
  oval 2x1.5 hole 0.8 mask+0.075: 1(0,2.5) 2(0,-2.5)
  silkscreen extent -5,-5 5,6.37, body extent -5,-5 5,5, height 21.05
ECAP13X21X5_BRW [mm] "Aluminium Capacitor"
  oval 3x2 hole 1.2 mask+0.075: 1(0,2.5) 2(0,-2.5)
  silkscreen extent -6.5,-6.5 6.5,7.87, body extent -6.5,-6.5 6.5,6.5, height 21.05
ECAP16X36X75_BLK [mm] "Aluminium Capacitor"
  oval 4x3 hole 1.5 mask+0.075: 1(0,3.75) 2(0,-3.75)
  silkscreen extent -8,-8 8,10.37, body extent -8,-8 8,8, height 36.05
ECAP22X50X10 [mm] "Aluminium Capacitor"
  rect 5x5 hole 2.5 mask+0.075: 1(0,5)
  round 5 hole 2.5 mask+0.075: 2(0,-5)
  silkscreen extent -11,-11 11,12.5, body extent -11,-11 11,11, height 50.3
ECAP35X50X10 [mm] "Aluminium Capacitor"
  rect 5x5 hole 2.5 mask+0.075: 1(0,5)
  round 5 hole 2.5 mask+0.075: 2(0,-5)
  silkscreen extent -17.5,-17.5 17.5,19, body extent -17.5,-17.5 17.5,17.5, height 50.3
EE25/10/6 [mm] "Core EE25"
  rect 3x3 hole 1.2: 1(8,-6.75)
  round 3 hole 1.2: 2(-8,-6.75) 3(-8,6.75) 4(8,6.75)
  silkscreen extent -11.25,-11.4 11.25,9.3, body extent -10.95,-9 10.95,9, height 25.6
EEL19/13.5/5 [mm] "Core EEL19"
  rect 2x3 hole 1.1: 1(-5.25,-6)
  oval 2x3 hole 1.1: 2(-1.75,-6) 3(1.75,-6) 4(5.25,-6) 5(6.95,6) 6(4.25,6) 7(1.55,6) 8(-1.15,6) 9(-3.85,6) 10(-6.55,6)
  silkscreen extent -11.35,-8.7 10.4,8.6, body extent -10,-8.25 10,8.25, height 30.5
ER39/20/12.5 [mm] "Core ER39"
  rect 3.5x5 hole 2: 1(-15,-12.75)
  oval 3.5x5 hole 2: 2(-10,-12.75) 3(-5,-12.75) 4(0,-12.75) 5(5,-12.75) 6(10,-12.75) 7(15,-12.75) 8(15,12.75) 9(10,12.75) 10(5,12.75) 11(0,12.75) 12(-5,12.75) 13(-10,12.75) 14(-15,12.75)
  silkscreen extent -19.9,-17.3 19.9,15.4, body extent -19.5,-15 19.5,15, height 45.25
FH-102 [mm]
  round 3.5 hole 2: 1(-11.5,0) 2(11.5,0)
  round 3.2 hole 3.2 unplated paste+0: HOLE(0,0)
  silkscreen extent -11.3,-4.8 11.3,4.8, body extent -11.58,-4.5 11.58,4.5, height 13.29
GBU810 [mm]
  rect 3.5x3.5 hole 1.8: 1(-7.62,0)
  round 3.5 hole 1.8: 2(-2.54,0) 3(2.54,0) 4(7.62,0)
  silkscreen extent -11.2,-4.1 11.2,3.3, body extent -11.02,-2.5 11.02,0.93, height 24.55
GNL-3012GD [mm] "3mm Standard Brightness LED"
  oval 1.2x1.5 hole 0.8: 1(-1.27,0) 2(1.27,0)
  silkscreen extent -1.7,-2.2 2.2,2.2, body extent -1.52,-1.95 1.95,1.95, height 1.5
JYC_Y2_CAP_6.5 [mm] "Cap D=6.5mm, pitch = 5mm"
  round 1.5 hole 0.8 mask+0.075: 1(-2.5,0) 2(2.5,0)
  silkscreen extent -4,-1.5 4,1.5, body extent -3.25,-1 3.25,1, height 8.75
JYC_Y2_CAP_7.5 [mm] "Cap D=7.5mm, pitch = 5mm"
  round 1.5 hole 0.8 mask+0.075: 1(-2.5,0) 2(2.5,0)
  silkscreen extent -4,-1.5 4,1.5, body extent -3.75,-1 3.75,1, height 9.25
KBP210G [mm]
  rect 2x3 hole 1.2: 1(-5.715,0)
  oval 2x3 hole 1.2: 2(-1.905,0) 3(1.905,0) 4(5.715,0)
  silkscreen extent -7.3,-3.1 7.3,3.8, body extent -7.25,-0.92 7.25,2.58, height 14.4
MKP61_13x12x6_P10 [mm] "Cap 13x12x6mm, pitch = 10mm"
  round 2 hole 1 mask+0.075: 1(-5,0) 2(5,0)
  silkscreen extent -6.7,-3.2 6.7,3.2, body extent -6.5,-3 6.5,3, height 12.05
MKP61_18x12x6_P15 [mm] "Cap 18x12x6mm, pitch = 15mm"
  round 2 hole 1 mask+0.075: 1(-7.5,0) 2(7.5,0)
  silkscreen extent -9.2,-3.2 9.2,3.2, body extent -9,-3 9,3, height 12.05
MKP61_18x14.5x8.5_P15 [mm] "Cap 18x14.5x8.5mm, pitch = 15mm"
  round 2 hole 1 mask+0.075: 1(-7.5,0) 2(7.5,0)
  silkscreen extent -9.2,-4.45 9.2,4.45, body extent -9,-4.25 9,4.25, height 14.55
NTC_D8 [mm] "NTC thermistors D = 8mm"
  round 2 hole 1: 1(-2.5,0) 2(2.5,0)
  silkscreen extent -4.8,-1.5 4.8,1.5, body extent -4.75,-1.3 4.75,1.3, height 13.24
RDE_1P1 [mm] "RDE capacitor, size 1P1"
  round 1.5 hole 0.8 mask+0.075: 1(-2,0) 2(2,0)
  silkscreen extent -3.25,-1.25 3.25,1.25, body extent -2.52,-1.25 2.48,1.25, height 7.1
RDE_2P1 [mm] "RDE capacitor, size 2P1"
  round 1.5 hole 0.8 mask+0.075: 1(-2,0) 2(2,0)
  silkscreen extent -3.6,-1.6 3.6,1.6, body extent -2.77,-1.57 2.73,1.57, height 7.1
RELAY_13x29.5MM [mm]
  rect 2.5x3 hole 1.5: 1(12.65,3.8)
  oval 2.5x3 hole 1.5: 2(7.57,3.8) 3(2.49,3.8) 6(2.49,-3.8) 7(7.57,-3.8) 8(12.65,-3.8)
  oval 2.5x2 hole 1.3: 4(-12.75,3.8) 5(-12.75,-3.8)
  silkscreen extent -15.05,-6.8 15.05,6.8, body extent -14.75,-6.5 14.75,6.5, height 20.65
RLB0914 [mm] "Inductor"
  rect 2.5x2 hole 1 mask+0.075: 1(0,-2.5)
  oval 2.5x2 hole 1 mask+0.075: 2(0,2.5)
  silkscreen extent -4.35,-5.45 4.35,4.35, body extent -4.35,-4.35 4.35,4.35, height 12.05
SOIC-8_with_DIP-8 [mm] "Plastic DIP, 8 pin, lead pitch 2.54mm (0.1\"), row spacing 7.62mm (0.3\")."
  rect 2x1.5 hole 0.8 mask+0.075: 1(-3.81,3.81)
  rect 0.6x1.45 smd paste+0 mask+0.05: 1(1.905,2.725)
  oval 2x1.5 hole 0.8 mask+0.075: 2(-3.81,1.27) 3(-3.81,-1.27) 4(-3.81,-3.81) 5(3.81,-3.81) 6(3.81,-1.27) 7(3.81,1.27) 8(3.81,3.81)
  oval 0.6x1.45 smd paste+0 mask+0.05: 2(0.635,2.725) 3(-0.635,2.725) 4(-1.905,2.725) 5(-1.905,-2.725) 6(-0.635,-2.725) 7(0.635,-2.725) 8(1.905,-2.725)
  silkscreen extent -4.3,-4.8 2.88,6.05, body extent -2.45,-3 2.45,3, height 1.75
TEST_PAD_HOLE1.1x1.8 [mm]
  round 1.8 hole 1.1 paste-0.05 mask+0.075: 1(0,0)
TEST_PAD_HOLE1.1x1.8SQ [mm]
  rect 1.8x1.8 hole 1.1 paste-0.05 mask+0.075: 1(0,0)
"TO-3PN (VERTICAL)" [mm]
  rect 4x3 hole 1.8: 1(0,5.45)
  oval 4x3 hole 1.8: 2(0,0) 3(0,-5.45)
  silkscreen extent -3.3,-8.1 3.65,8.1, body extent -2.2,-7.9 2.6,7.9, height 29.9
"TO-92 (VERTICAL,LINE)" [mm]
  rect 2.65x1.6 hole 1: 1(0,2.54)
  oval 2.65x1.6 hole 1: 2(0,0) 3(0,-2.54)
  silkscreen extent -3.09,-2.16 2.54,2.84, body extent -1.81,-2.8 2.13,2.8, height 10.2
"TO-126 (VERTICAL)" [mm]
  rect 2.65x1.6 hole 1: 1(0,-2.29)
  oval 2.65x1.6 hole 1: 2(0,0) 3(0,2.29)
  silkscreen extent -2.8,-4.2 1.9,4.2, body extent -1,-3.8 1.55,3.8, height 13.49
TO-220A-3 [mm]
  rect 3.2x2 hole 1.2: 1(0,2.5)
  oval 3.2x2 hole 1.2: 2(0,0) 3(0,-2.5)
  silkscreen extent -1.5,-5 2.9,5, body extent -1.55,-4.95 2.91,4.95, height 19.99
TO-247_with_dual_TO-220 [mm]
  rect 4x2.4 hole 1.8: 1(0,5.56)
  rect 3.2x1.8 hole 1.2: 1(0,2.8) 2(0,10.96)
  oval 4x2.4 hole 1.8: 2(0,0) 3(0,-5.56)
  oval 3.2x1.8 hole 1.2: 3(0,-2.8)
  silkscreen extent -5,-8 5.25,13.3, body extent -1.55,-7.75 2.91,13.27, height 20.05
"TO-247_with_TO-220 (VERTICAL)" [mm]
  rect 4x2.4 hole 1.8: 1(0,5.56)
  rect 3.2x1.8 hole 1.2: 1(0,2.8)
  oval 4x2.4 hole 1.8: 2(0,0) 3(0,-5.56)
  oval 3.2x1.8 hole 1.2: 3(0,-2.8)
  silkscreen extent -3.3,-8.1 3.65,8.1, body extent -2.2,-8 2.8,8, height 30.55
UU9.8 [mm] "Core UU9.8"
  rect 2x2 hole 1: 1(4,-3.5)
  round 2 hole 1: 2(-4,-3.5) 3(-4,3.5) 4(4,3.5)
  silkscreen extent -7.5,-5.6 8.82,5.6, body extent -7.15,-5.25 7.15,5.25, height 13.8
VARISTOR_14D [mm] "Varistor 14D"
  round 2.5 hole 1.2: 1(-3.75,0) 2(3.75,0)
  silkscreen extent -8.2,-1.9 8.2,1.9, body extent -7.9,-1.3 7.9,1.3, height 20.4